# Altium PCB roach2.PcbDoc (part 34 of 39)
Units mil, origin at the board's own origin, x right, y up, seen from the top; angles counter-clockwise.
Board outline 12007.87 x 9606.3 mil, 16 copper layers (L1_TOP, L2_G, L3_S, L4_G, L5_S, L6_P, L7_G, L8_R, L9_R, L10_P, L11_P, L12_S, L13_P, L14_S, L15_G, L16_BOT), stack 81.651 mil thick; 1568 components, 1918 nets, 9251 pads, 6741 vias.
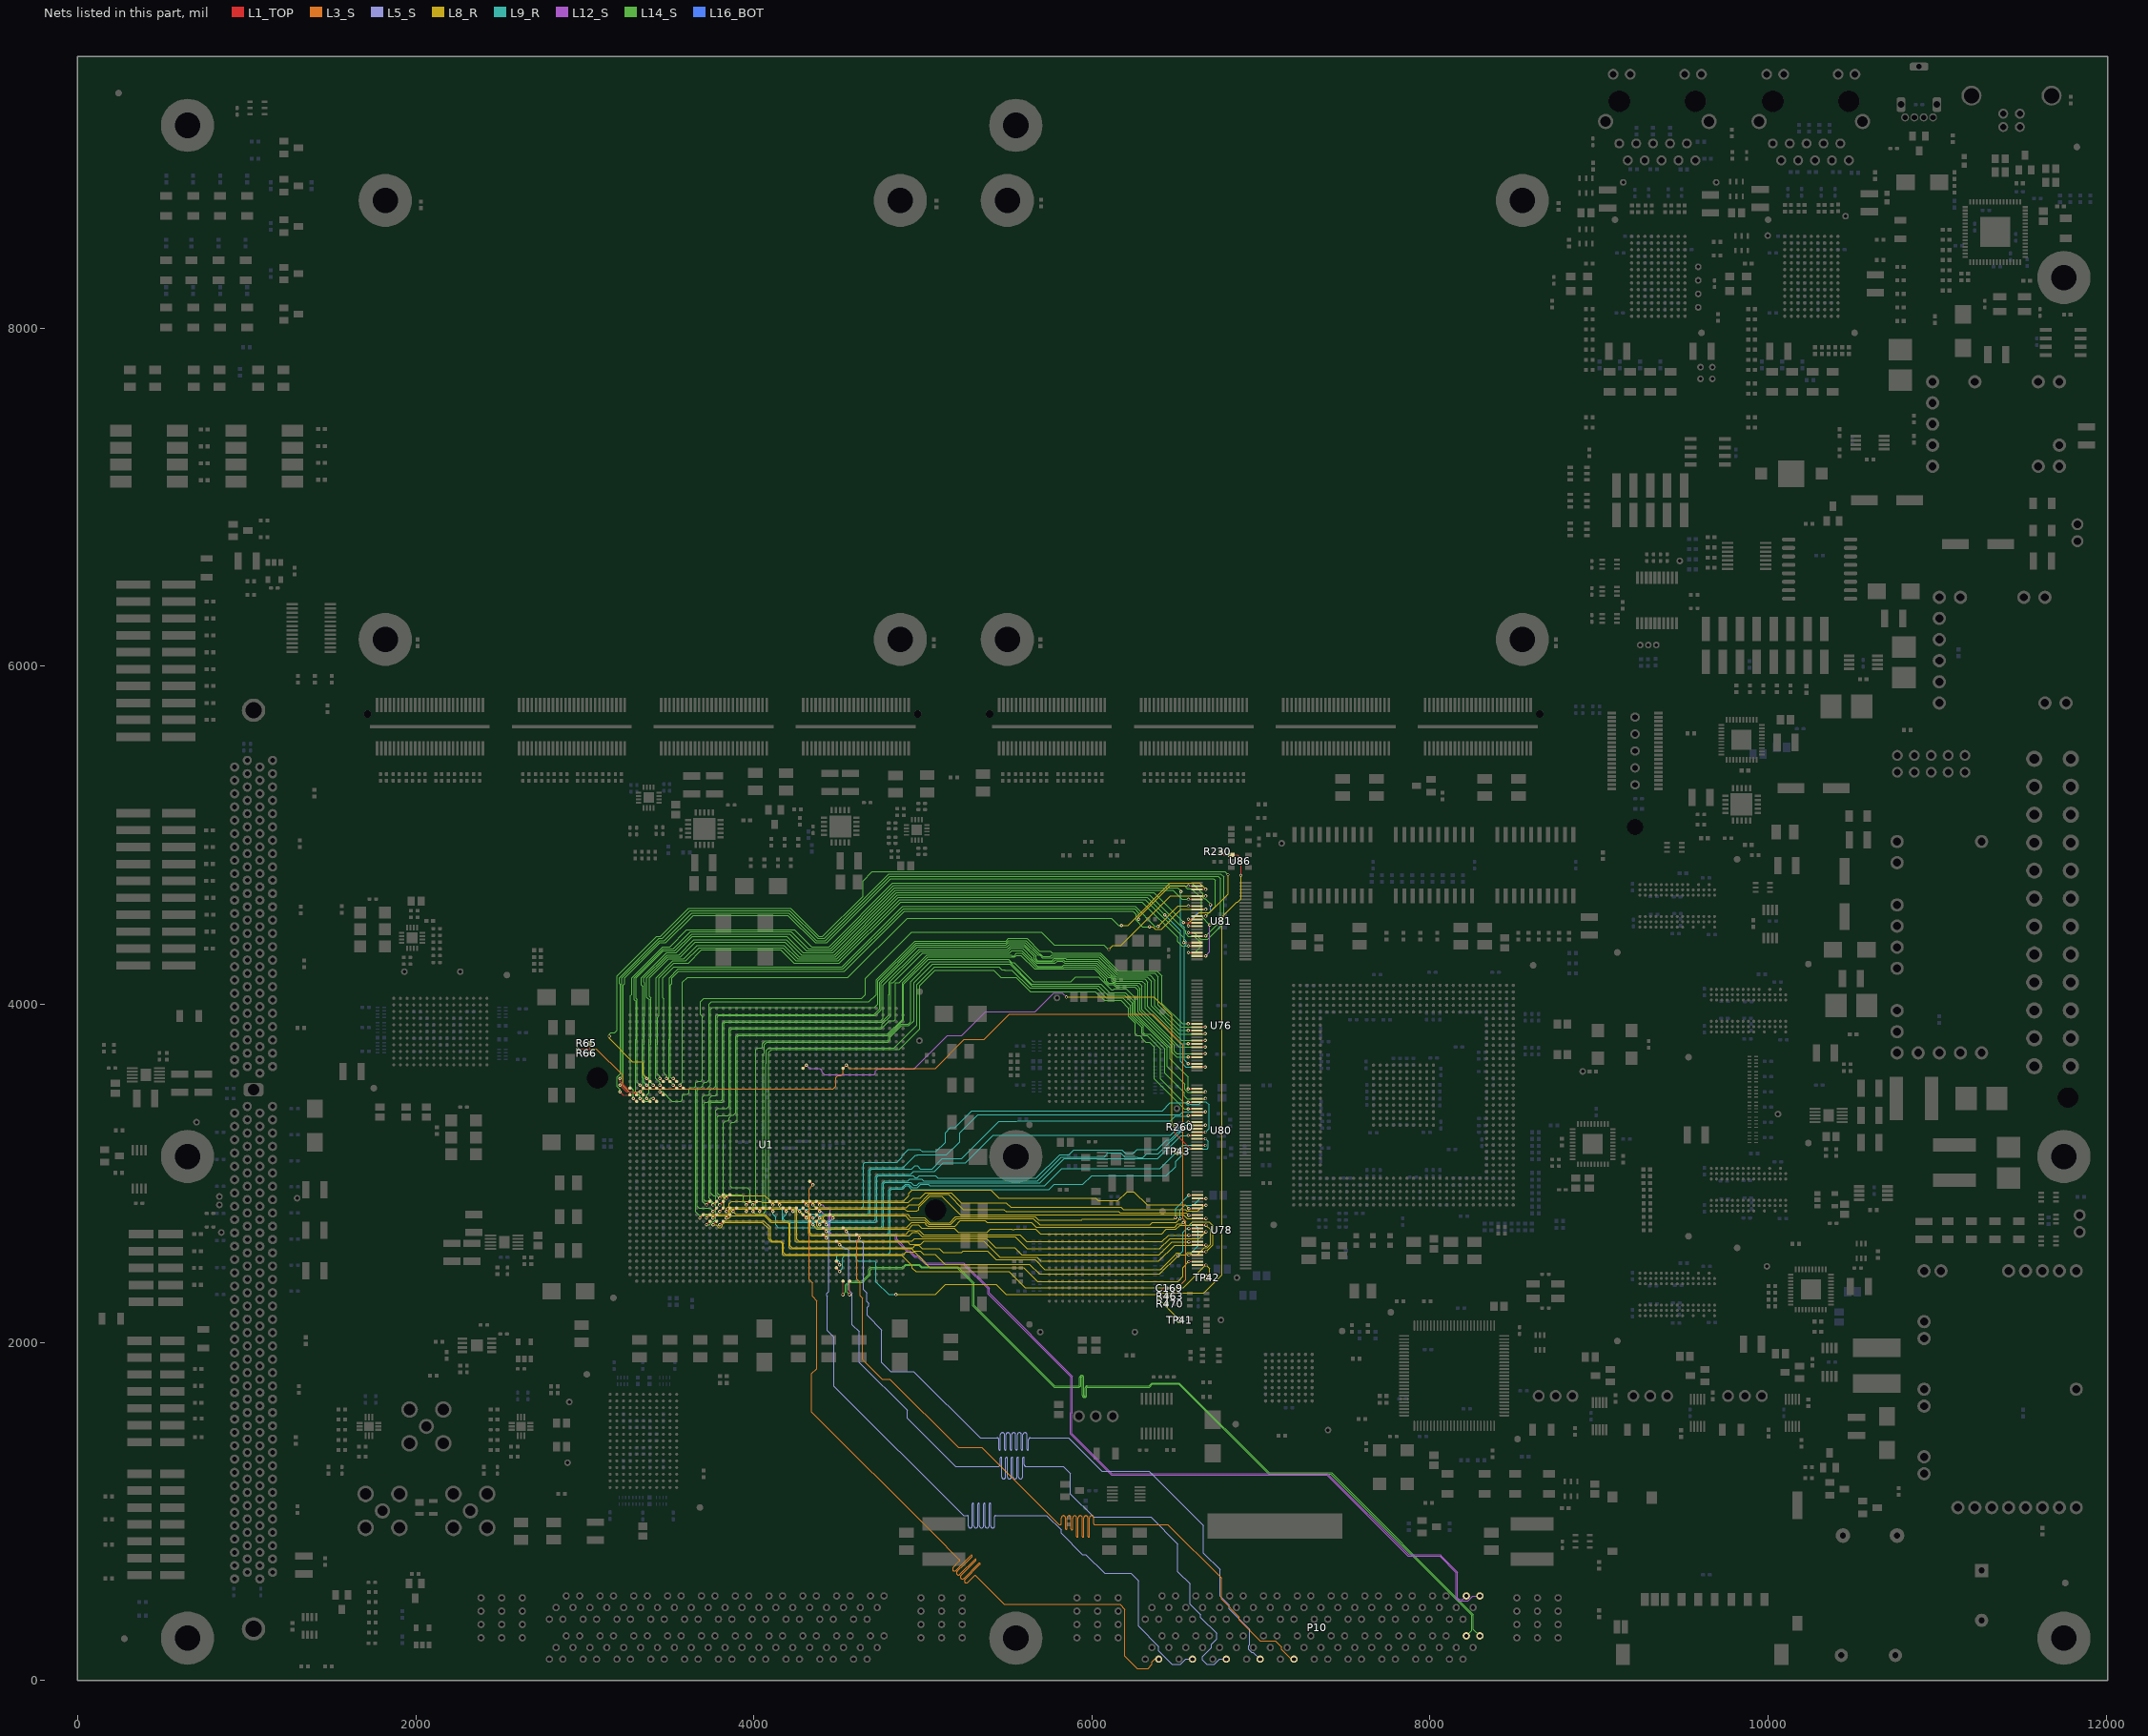
[diagram p48: the nets of this part, all layers, seen from the top]

## Via types
v1: diameter 19.4, hole 10, L1_TOP to L16_BOT, tented both sides, 3354 vias
v2: diameter 19.4, hole 10, L1_TOP to L16_BOT, 1954 vias
v3: diameter 19.4, hole 10, L1_TOP to L16_BOT, tented top, 429 vias
v4: diameter 18.6, hole 10, L1_TOP to L16_BOT, tented both sides, 311 vias
v5: diameter 59.06, hole 39.37, L1_TOP to L16_BOT, 217 vias
v6: diameter 19.4, hole 10.04, L1_TOP to L16_BOT, 125 vias
v7: diameter 19, hole 10, L1_TOP to L16_BOT, 93 vias
v8: diameter 19.4, hole 10, L1_TOP to L16_BOT, tented bottom, 80 vias
v9: diameter 25.98, hole 12.99, L1_TOP to L16_BOT, tented top, 55 vias
v10: diameter 20, hole 10, L1_TOP to L16_BOT, 53 vias
v11: diameter 59.06, hole 39.37, L1_TOP to L16_BOT, tented top, 44 vias
v12: diameter 20, hole 10, L1_TOP to L16_BOT, tented top, 16 vias
v13: diameter 19, hole 10, L1_TOP to L16_BOT, tented top, 5 vias
v14: diameter 25.98, hole 12.99, L1_TOP to L16_BOT, 4 vias
v15: diameter 50, hole 28, L1_TOP to L16_BOT, 1 vias

## Nets (pads, with @x,y where several pads share a name; then routed paths per layer and width w, separated by ;. In a path a pad name is that pad's centre, name@x,y a point inside that pad or via, vN(x,y) a via of type N, cw(c..) or ccw(c..) an arc to the next point about the centre after c; other vN are vias at no path point) (continued)
XL.PADDR14: U1.AJ32 U76.14 | length 4843.1
  L1_TOP w5: v1(3758.94,2734.68) U1.AJ32@3778.63,2754.37 ; v1@6569.83,3884.79 U76.14@6620.83,3884.79 U76.14@6637.77,3884.79
  L14_S w3.8: v1@3759.84,2736.22 3743.07,2752.99 3674.99,2752.99 3656.43,2771.55 3656.43,3493.56 3669.36,3506.49 3686.67,3506.49 3698.11,3517.93 3698.11,3527.11 3710.22,3539.22 3721.22,3539.22 3735.54,3553.54 3735.54,3792.22 3736.07,3792.75 3736.07,4002.07 3748.99,4014.99 4680.99,4014.99 4723.79,4057.79 4723.79,4144.89 4952.82,4373.92 5492.13,4373.92 5507.6,4389.39 5615.13,4389.39 5689.93,4314.59 5755.45,4314.59 5766.9,4303.15 6051.76,4303.15 6158.06,4196.85 6385.13,4196.85 6414.99,4166.99 6414.99,4004.99 6535.11,3884.87 v1(6569.89,3884.87)
XL.PADDR15: U1.AJ31 U76.15 | length 4925
  L1_TOP w5: v1(3758.94,2774.05) U1.AJ31@3778.63,2793.74 ; U76.15@6603.89,3865.11 U76.15@6620.83,3865.11 6669.89,3865.11 v1@6671.83,3865.11
  L14_S w3.8: v1@3759.84,2781.87 3759.84,2775.59 3740.44,2794.99 3674.99,2794.99 3664.6,2805.38 3664.6,3489.18 3673.74,3498.32 3719.82,3498.32 3743.34,3521.84 3743.34,3764.77 3744.24,3765.67 3744.24,3970.24 3754.46,3980.46 4711.19,3980.46 4711.72,3980.99 4712.79,3980.99 4734.09,4002.29 4734.09,4138.5 4957.71,4362.12 5492.13,4362.12 5507.6,4377.59 5610.24,4377.59 5689.44,4298.39 5694.68,4298.39 5709.68,4283.39 5755.45,4283.39 5763.41,4291.35 6046.88,4291.35 6153.18,4185.05 6370.93,4185.05 6392.99,4162.99 6392.99,3996.99 6524.99,3864.99 6669.38,3864.99 v1(6669.89,3865.5)
XL.PADDR16: U1.AK30 U76.16 | length 4658.3
  L1_TOP w5: v1(3719.57,2813.42) U1.AK30@3739.26,2833.11 ; v1@6569.83,3845.42 6569.89,3845.42 U76.16@6620.83,3845.42 U76.16@6637.77,3845.42
  L14_S w3.8: v1@3721.28,2808.7 3718.07,2811.92 3696.17,2833.81 3696.17,3452.67 3706.99,3463.49 3730.49,3463.49 3738.99,3471.99 3738.99,3489.49 3750.99,3501.49 3760.41,3501.49 3774.54,3515.62 3774.54,3791.85 3775.44,3792.75 3775.44,3932.41 3783.75,3940.72 4711.02,3940.72 4743.89,3973.59 4743.89,4131.61 4962.6,4350.32 5492.13,4350.32 5507.6,4365.79 5605.35,4365.79 5680.55,4290.59 5691.45,4290.59 5706.45,4275.59 5764.34,4275.59 5768.74,4279.99 6041.55,4279.99 6148.29,4173.25 6342.73,4173.25 6372.99,4142.99 6372.99,3988.99 6516.99,3844.99 6569.38,3844.99 v1(6569.89,3845.5)
XL.PADDR17: U1.AJ30 U76.17 | length 4779.4
  L1_TOP w5: v1(3758.94,2813.42) U1.AJ30@3778.63,2833.11 ; U76.17@6603.89,3825.74 U76.17@6620.83,3825.74 v1@6671.83,3825.74
  L14_S w3.8: v1@3759.84,2814.96 3737.61,2837.19 3713.11,2837.19 3703.97,2846.33 3703.97,3410.44 3713.53,3419.99 3726.99,3419.99 3737.99,3430.99 3737.99,3444.99 3753.49,3460.49 3774.99,3460.49 3782.71,3468.21 3782.71,3764.77 3783.61,3765.67 3783.61,3923.79 3792.75,3932.92 4719.92,3932.92 4753.59,3966.59 4753.59,4124.62 4967.49,4338.52 5496.39,4338.52 5511.87,4353.99 5600.46,4353.99 5669.39,4285.06 5669.39,4268.53 5678.53,4259.39 5764.83,4259.39 5777.63,4272.19 5843.79,4272.19 5848.49,4267.49 6036.84,4267.49 6037.1,4267.75 6143.4,4161.45 6326.53,4161.45 6350.99,4136.99 6350.99,3988.99 6514.99,3824.99 6668.75,3824.99 v1(6669.89,3826.13)
XL.PADDR18: U1.AK33 U76.19 | length 4907.7
  L1_TOP w5: v1(3719.57,2695.31) U1.AK33@3739.26,2715 ; U76.19@6603.89,3786.37 U76.19@6620.83,3786.37 v1@6671.83,3786.37
  L14_S w3.8: v1@3720.47,2696.85 3737.78,2696.85 3753.38,2712.45 3760.45,2712.45 3775.44,2727.44 3775.44,2821.42 3767.84,2829.02 3758.64,2829.02 3735.17,2852.49 3735.17,3417.14 3745.78,3427.75 3804.78,3427.75 3813.91,3436.88 3813.91,3791.85 3814.81,3792.75 3814.81,3888.14 3828.36,3901.69 4750.53,3901.69 4765.39,3916.56 4765.39,4113.11 4979,4326.72 5501.28,4326.72 5516.75,4342.19 5598.01,4342.19 5657.59,4282.61 5657.59,4269.3 5675.3,4251.59 5773.72,4251.59 5786.52,4264.39 5831.12,4264.39 5839.56,4255.95 6032.21,4255.95 6113.97,4174.19 6118.35,4174.19 6134.19,4158.35 6134.19,4153.97 6138.51,4149.65 6312.77,4149.65 6330.99,4131.43 6330.99,3986.99 6530.99,3786.99 6669.66,3786.99 v1(6669.89,3786.76)
XL.PADDR19: U1.AH30 U76.20 | length 4646.7
  L1_TOP w5: v1(3798.31,2813.42) U1.AH30@3818,2833.11 ; v1@6569.83,3766.68 U76.20@6620.83,3766.68 U76.20@6637.77,3766.68
  L14_S w3.8: v1@3799.21,2814.96 3777.12,2837.06 3774.54,2839.63 3774.54,2862.21 3768.36,2868.39 3759.49,2868.39 3743.34,2884.54 3743.34,3414.28 3748.64,3419.58 3815.08,3419.58 3822.08,3426.58 3822.08,3764.77 3822.98,3765.67 3822.98,3884.42 3832.46,3893.89 4756.83,3893.89 4799.07,3936.13 4799.07,4056.75 4799.84,4057.53 4799.84,4130.87 4983.89,4314.92 5506.17,4314.92 5521.64,4330.39 5590.69,4330.39 5645.79,4275.29 5645.79,4270.07 5672.07,4243.79 5782.6,4243.79 5795.4,4256.59 5825.45,4256.59 5837.9,4244.15 6027.33,4244.15 6105.08,4166.39 6112.68,4166.39 6126.39,4152.68 6126.39,4145.08 6131.48,4139.99 6137.15,4139.99 6139.29,4137.85 6296.13,4137.85 6314.99,4118.99 6314.99,3974.99 6522.99,3766.99 6569.66,3766.99 v1(6569.89,3766.76)
XL.PADDR20: U1.AH29 U76.21 | length 4638.6
  L1_TOP w5: v1(3798.31,2852.79) U1.AH29@3818,2872.48 ; U76.21@6603.89,3747 U76.21@6620.83,3747 v1@6671.83,3747
  L14_S w3.8: v1@3799.21,2854.33 3793.45,2854.33 3774.54,2873.24 3774.54,3372.04 3786.99,3384.49 3840.26,3384.49 3853.28,3397.51 3853.28,3791.85 3854.18,3792.75 3854.18,3856.18 3860.79,3862.79 3861.23,3862.35 4750.56,3862.35 4759.7,3871.49 4759.7,3881.7 4808.99,3930.99 4808.99,4128.99 4824.3,4128.99 4998.43,4303.12 5511.05,4303.12 5526.53,4318.59 5585.8,4318.59 5679,4225.39 5825.45,4225.39 5832.41,4232.35 6022.44,4232.35 6096.2,4158.59 6109.45,4158.59 6118.59,4149.45 6118.59,4136.2 6122.6,4132.19 6133.92,4132.19 6140.06,4126.05 6279.93,4126.05 6296.99,4108.99 6296.99,3966.99 6516.99,3746.99 6669.49,3746.99 v1(6669.89,3747.39)
XL.PADDR21: U1.AG29 U76.23 | length 4673.3
  L1_TOP w5: v1(3837.68,2852.79) U1.AG29@3857.37,2872.48 ; U76.23@6603.89,3707.63 U76.23@6620.83,3707.63 v1@6671.83,3707.63
  L14_S w3.8: v1@3838.58,2854.33 3821.27,2854.33 3805.67,2869.93 3798.49,2869.93 3782.71,2885.7 3782.71,3331.7 3791.85,3340.84 3848.84,3340.84 3861.45,3353.45 3861.45,3764.77 3862.35,3765.67 3862.35,3845.05 3871.49,3854.18 4753.42,3854.18 4800.96,3901.72 4829.3,3901.72 4838.99,3911.42 4838.99,4126.99 4859.62,4126.99 5023.94,4291.32 5522.61,4291.32 5526.53,4287.39 5539.45,4287.39 5554.25,4302.19 5585.51,4302.19 5670.11,4217.59 5834.34,4217.59 5837.3,4220.55 6017.55,4220.55 6087.39,4150.71 6087.39,4136.53 6099.53,4124.39 6130.68,4124.39 6140.83,4114.25 6263.73,4114.25 6284.99,4092.99 6284.99,3960.99 6487.76,3758.22 6487.76,3721.53 6502.3,3706.99 6668.86,3706.99 v1(6669.89,3708.02)
XL.PADDR22: U1.AD30 U76.24 | length 4597.1
  L1_TOP w5: v1(3955.79,2813.42) U1.AD30@3975.48,2833.11 ; v1@6569.83,3687.94 U76.24@6620.83,3687.94 U76.24@6637.77,3687.94
  L14_S w3.8: v1@3956.69,2814.96 3937.66,2833.99 3937.66,2861.82 3926.99,2872.49 3833.49,2872.49 3820.49,2885.49 3820.49,3295.49 3834.64,3309.64 3844.15,3309.64 3853.28,3318.77 3853.28,3328.28 3868.49,3343.49 3878,3343.49 3892.65,3358.14 3892.65,3791.85 3893.55,3792.75 3893.55,3808.54 3908,3822.98 3910.84,3822.98 4789.93,3822.98 4878.99,3912.05 4878.99,4129.68 5028.83,4279.52 5542.61,4279.52 5553.48,4290.39 5580.63,4290.39 5662.27,4208.75 6012.66,4208.75 6075.59,4145.82 6075.59,4137.3 6096.3,4116.59 6127.45,4116.59 6141.6,4102.45 6253.53,4102.45 6272.99,4082.99 6272.99,3952.99 6472.99,3752.99 6472.99,3716.99 6501.96,3688.02 v1(6569.89,3688.02)
XL.PADDR23: U1.AC30 U80.2 | length 4682
  L1_TOP w5: v1(3995.16,2813.42) U1.AC30@4014.85,2833.11 ; v1@6569.83,3500.07 U80.2@6620.83,3500.07 U80.2@6637.77,3500.07
  L14_S w3.8: v1@3996.06,2814.96 3976.99,2834.03 3976.99,2899.99 3961.05,2915.93 3870.59,2915.93 3861.45,2925.07 3861.45,3292.33 3870.59,3301.47 3885.74,3301.47 3900.82,3316.55 3900.82,3764.77 3901.72,3765.67 3901.72,3805.68 3911.23,3815.18 4793.16,3815.18 4886.79,3908.82 4886.79,4120.79 ; 4886.99,4120.99 4886.79,4120.79 ; v1(6569.89,3499.72) 6569.99,3499.82 6569.99,3568.99 6460.99,3677.99 6460.99,3742.99 6254.99,3948.99 6254.99,4038.99 6203.33,4090.65 6132.71,4090.65 6127.45,4085.39 6114.53,4085.39 6037.92,4162 5904,4162 5876,4134 5652.85,4134 5539.45,4247.39 5526.53,4247.39 5506.21,4267.72 5033.72,4267.72 4886.79,4120.79
XL.PADDR24: U1.AY13 U76.26 | length 5321.3
  L1_TOP w5: v1(3325.87,3522.09) 3345.24,3502.72 U1.AY13@3345.56,3502.4 ; v1@6569.83,3648.57 U76.26@6620.83,3648.57 U76.26@6637.77,3648.57
  L9_R w3.8: v2(6526.99,4666.99) 6525.39,4665.39 6525.39,4475.59 6545.99,4454.99 6545.99,4384.34 6558.85,4371.48 6558.85,4355.47 6545.99,4342.6 6545.99,3672.55 v1(6569.89,3648.65)
  L14_S w3.8: v1(3325.87,3522.09) 3310.27,3537.69 3310.27,3788.99 3310.8,3789.52 3310.8,4029.18 3304.99,4034.99 3304.99,4156.99 3464.99,4316.99 3532.99,4316.99 3632.99,4416.99 4210.99,4416.99 4310.99,4316.99 4461.28,4316.99 4833.28,4688.99 6507,4688.99 v2@6526.99,4668.99
XL.PADDR25: U1.AV13 U76.27 | length 5162.9
  L1_TOP w5: v1(3404.61,3522.09) 3423.98,3502.72 U1.AV13@3424.3,3502.4 ; U76.27@6603.89,3628.89 U76.27@6620.83,3628.89 6669.89,3628.89 v1@6671.83,3628.89
  L9_R w3.8: v2(6430.99,4528.99) 6522.99,4436.99 6522.99,3661.99 6554.99,3629.99 6669.18,3629.99 v1(6669.89,3629.28)
  L14_S w3.8: v1@3405.51,3523.62 3389.01,3540.12 3389.01,3764.77 3389.91,3765.67 3389.91,4038.55 3382.36,4046.1 3382.36,4156.99 3494.36,4268.99 3584.99,4268.99 3664.99,4348.99 4178.99,4348.99 4258.99,4268.99 4491.35,4268.99 4856.14,4633.79 6200.99,4633.79 ; 6203.03,4633.79 6200.99,4633.79 ; v2(6430.99,4528.99) 6326.2,4633.79 6200.99,4633.79
XL.PADDR26: U1.AD31 U80.3 | length 4575.6
  L1_TOP w5: v1(3955.79,2774.05) U1.AD31@3975.48,2793.74 ; U80.3@6603.89,3480.38 U80.3@6620.83,3480.38 v1@6671.83,3480.38
  L14_S w3.8: v1(3955.79,2774.05) 3979.56,2797.82 4001.63,2797.82 4010.76,2806.96 4010.76,3733.26 4019.49,3741.99 4045.99,3741.99 4051.03,3747.03 4051.03,3767.03 4067.61,3783.61 4789.93,3783.61 4799.07,3792.75 4799.07,3810.06 4871,3881.99 4913.99,3881.99 4928.99,3896.99 4928.99,4134.99 5044.99,4250.99 5511.9,4250.99 5642.89,4120 6052.98,4120 6103.99,4068.99 6196.99,4068.99 6247.19,4018.79 6247.19,3941.79 6444.99,3743.99 6444.99,3632.99 6550.99,3526.99 6550.99,3496.56 6567.56,3479.99 6670.16,3479.99 v1(6671.89,3481.72)
XL.PADDR27: U1.AB31 U80.5 | length 4532.1
  L1_TOP w5: v1(4034.53,2774.05) U1.AB31@4054.22,2793.74 ; U80.5@6603.89,3441.01 U80.5@6620.83,3441.01 v1@6671.83,3441.01
  L14_S w3.8: v1(4034.53,2774.05) 4054.99,2794.51 4054.99,3704.99 4061.99,3711.99 4061.99,3761.99 4075.44,3775.44 4792.79,3775.44 4806.87,3789.52 4806.87,3805.87 4875.19,3874.19 4917.22,3874.19 4946.99,3903.96 4946.99,4126.99 5057.99,4237.99 5513.87,4237.99 5643.86,4108 6037.98,4108 6091.99,4053.99 6190.99,4053.99 6238.99,4005.99 6238.99,3934.99 6303.3,3870.69 6303.3,3832.12 6312.44,3822.98 6344,3822.98 6429.99,3736.99 6429.99,3592.99 6546.99,3475.99 6546.99,3457.99 6563.99,3440.99 6670.53,3440.99 v1(6671.89,3442.35)
XL.PADDR28: U1.AC31 U80.6 | length 4471.6
  L1_TOP w5: v1(3995.16,2774.05) U1.AC31@4014.85,2793.74 ; v1@6569.83,3421.33 U80.6@6620.83,3421.33 U80.6@6637.77,3421.33
  L14_S w3.8: v1(3995.16,2774.05) 4011.23,2757.99 4053.49,2757.99 4071.99,2776.49 4071.99,3648.49 4073.99,3650.49 4073.99,3728.42 4088.28,3742.71 4830.71,3742.71 4963.99,3875.99 4963.99,4115.99 5067.99,4219.99 5450.79,4219.99 5467.39,4203.39 5482.59,4203.39 5482.99,4202.99 5524.99,4202.99 5631.98,4096 6026.98,4096 6084.99,4037.99 6182.99,4037.99 6228.99,3991.99 6228.99,3929.99 6295.5,3863.49 6295.5,3828.89 6309.21,3815.18 6325.8,3815.18 6404.99,3735.99 6404.99,3557.99 6541.99,3420.99 v1(6569.89,3420.98)
XL.PADDR29: U1.AA30 U80.8 | length 4360.3
  L1_TOP w5: U1.AA30@4093.59,2833.11 v1(4113.28,2813.42) ; v1@6569.83,3381.96 U80.8@6620.83,3381.96 U80.8@6637.77,3381.96
  L14_S w3.8: v1@4114.17,2814.96 4087.99,2841.14 4087.99,3716.35 4106.18,3734.54 4860.54,3734.54 4980.99,3854.99 4980.99,4109.99 5071.99,4200.99 5418.99,4200.99 5459.99,4159.99 5550.99,4159.99 5634.98,4076 6018.98,4076 6071.99,4022.99 6170.99,4022.99 6217.99,3975.99 6217.99,3926.99 6254.99,3889.99 6254.99,3846.58 6255.76,3845.81 6255.76,3824.23 6263.99,3815.99 6284.81,3815.99 6295.5,3805.31 6295.5,3798.49 6318.54,3775.44 6340.54,3775.44 6367.99,3747.99 6367.99,3559.99 6545.99,3381.99 6569.51,3381.99 v1(6569.89,3381.61)
XL.PBEN0: U1.Y30 U80.13 | length 3131.9
  L1_TOP w5: U1.Y30@4132.96,2833.11 v1(4152.65,2813.42) ; U80.13@6603.89,3283.53 U80.13@6620.83,3283.53 v1@6671.83,3283.53
  L9_R w3.8: v1(4152.65,2813.42) 4152.65,2796.12 4168.25,2780.52 4168.25,2723.74 4181.07,2710.91 4718.91,2710.91 4727.6,2719.6 4727.6,2977.37 4736.74,2986.5 4941.76,2986.5 4953.27,2974.99 4966.19,2974.99 4977.71,2986.5 5073.48,2986.5 5088.99,2970.99 5670.99,2970.99 5810.99,3110.99 5864.99,3110.99 5892.99,3138.99 6176.99,3138.99 6200.99,3114.99 6240.99,3114.99 6266.99,3140.99 6384.99,3140.99 6442.99,3198.99 6460.99,3198.99 6546.87,3284.87 v1(6671.89,3284.87)
XL.PBEN1: U1.W31 U80.12 | length 2935.3
  L1_TOP w5: U1.W31@4172.33,2793.74 v1(4192.02,2774.05) ; v1@6569.83,3303.22 6569.89,3303.22 U80.12@6620.83,3303.22 U80.12@6637.77,3303.22
  L9_R w3.8: v1(4192.02,2774.05) 4192.02,2756.75 4176.42,2741.15 4176.42,2728.22 4185.55,2719.08 4710.29,2719.08 4719.43,2728.22 4719.43,2980.23 4733.51,2994.3 4822.62,2994.3 ; 4822.99,2994.67 4822.62,2994.3 ; v1(6569.89,3302.87) 6542.87,3302.87 6464.99,3224.99 5416.99,3224.99 5252.99,3060.99 5118.99,3060.99 5068.99,3010.99 4944.99,3010.99 4928.3,2994.3 4822.62,2994.3
XL.PBEN2: U1.R32 U80.10 | length 2738.7
  L1_TOP w5: U1.R32@4329.81,2754.37 v1(4349.5,2734.68) ; v1@6569.83,3342.59 6569.89,3342.59 U80.10@6620.83,3342.59 U80.10@6637.77,3342.59
  L9_R w3.8: v1(4349.5,2734.68) 4353.39,2734.68 4368.99,2750.28 4682.28,2750.28 4688.23,2756.23 4688.23,3016.74 4697.37,3025.87 4820.99,3025.87 ; 4822.99,3025.87 4820.99,3025.87 ; v1(6569.89,3342.24) 6566.56,3338.91 6492.91,3338.91 6464.99,3310.99 5559.06,3310.99 5554.77,3306.71 5450.71,3306.71 5230.99,3086.99 5114.99,3086.99 5053.87,3025.87 4985.88,3025.87 4966.19,3045.56 4953.27,3045.56 4933.58,3025.87 4820.99,3025.87
XL.PBEN3: U1.T32 U80.9 | length 2897.3
  L1_TOP w5: U1.T32@4290.44,2754.37 v1(4310.13,2734.68) ; U80.9@6603.89,3362.27 U80.9@6620.83,3362.27 v1@6671.83,3362.27
  L9_R w3.8: v1(4310.13,2734.68) 4333.9,2758.45 4670.92,2758.45 4680.06,2767.59 4680.06,3019.6 4694.14,3033.67 4881.67,3033.67 4956.85,3108.85 4966.19,3108.85 4966.34,3108.99 5140.99,3108.99 5218.99,3186.99 5218.99,3240.99 5324.71,3346.71 6520.71,3346.71 6537.61,3363.61 v1(6671.89,3363.61)
XL.PBLASTN: U1.N34 U80.16 | length 2639.7
  L1_TOP w5: U1.N34@4408.55,2675.63 v1(4428.24,2655.94) ; v1(6569.83,3224.48) U80.16@6620.83,3224.48 U80.16@6637.77,3224.48
  L9_R w3.8: v1(4428.24,2655.94) 4445.54,2655.94 4461.14,2671.54 4761.54,2671.54 4766.99,2676.99 4766.99,2688.83 4766.97,2938 4776.11,2947.13 4928.85,2947.13 4944.99,2930.99 4964.99,2930.99 4978.99,2944.99 5692.99,2944.99 5834.99,3086.99 6123.23,3086.99 6123.46,3086.76 6136.38,3086.76 6136.61,3086.99 6150.79,3086.99 6151.02,3086.76 6163.94,3086.76 6164.17,3086.99 6265.74,3086.99 6265.9,3086.84 6388.84,3086.84 6526.48,3224.48 v1(6569.83,3224.48)
XL.PCSN0: TP43.1 U1.N35 U80.19 | length 2737.5
  L1_TOP w5: U1.N35@4408.55,2636.26 v1(4428.24,2616.57) ; U80.19@6603.89,3165.42 U80.19@6620.83,3165.42 v1(6671.83,3165.42)
  L9_R w3.8: v1(4428.24,2616.57) 4448.65,2636.99 4785.68,2636.99 4798.17,2649.48 4798.17,2654.62 4798.54,2654.99 4798.54,2901.86 4812.25,2915.56 4877.3,2915.56 4896.98,2935.25 4916.37,2935.25 4936.05,2915.56 4967.56,2915.56 4987.32,2935.32 5033.12,2935.32 5041.45,2926.99 5720.99,2926.99 5822.99,3028.99 6402.99,3028.99 6503.99,3129.99 6539.42,3165.42 v1(6671.83,3165.42)
XL.PCSN1: U1.L39 U80.17 | length 2927.1
  L1_TOP w5: U1.L39@4487.29,2478.78 v1(4506.98,2459.09) ; U80.17@6603.89,3204.79 U80.17@6620.83,3204.79 v1(6671.83,3204.79)
  L9_R w3.8: v1(4506.98,2459.09) 4506.98,2476.4 4491.38,2492 4491.38,2509.38 4503.86,2521.86 4793.86,2521.86 4806.34,2534.34 4806.34,2898.63 4815.48,2907.76 4880.53,2907.76 4900.21,2927.45 4913.14,2927.45 4922.28,2918.31 4922.28,2914.99 4932.28,2904.99 4991.77,2904.99 4992.64,2904.12 5746.12,2904.12 5776.99,2934.99 5946.99,2934.99 5998.99,2986.99 6440.99,2986.99 6494.99,3040.99 6494.99,3070.99 6568.99,3144.99 6680.99,3144.99 6688,3152 6688,3188.62 v1(6671.83,3204.79)
XL.PCSN2: R260.1 U1.T10 U80.20 | length 3411.2
  L1_TOP w5: U1.T10@4290.44,3620.51 4291.66,3621.73 v1(4310.13,3640.2) ; v2(6488.99,3276.99) 6488.99,3236.99 6580.25,3145.74 U80.20@6620.83,3145.74 U80.20@6637.77,3145.74
  L8_R w3.8: v2(5848.99,4042.99) 6364.99,4042.99 6472.99,3934.99 6472.99,3292.99 v2(6488.99,3276.99)
  L12_S w3.8: v1(4310.13,3640.2) 4329.33,3620.99 4390.76,3620.99 4404.47,3607.29 4404.47,3599.52 4418.76,3585.23 4710.29,3585.23 4719.43,3594.37 4719.43,3605.93 4732.49,3618.99 4948.99,3618.99 5144.99,3814.99 5228.99,3814.99 5370.99,3956.99 5664.99,3956.99 5774.99,4066.99 5824.99,4066.99 v2(5848.99,4042.99)
  L16_BOT w5: v2(6488.99,3276.99) 6499.31,3276.99 R260.1@6520.99,3255.31
XL.PDATA0: U1.AR13 U81.2 | length 4115.8
  L1_TOP w5: v1(3522.72,3522.09) 3542.09,3502.72 U1.AR13@3542.41,3502.4 ; v1(6570.73,4699.61) U81.2@6621.73,4699.61 U81.2@6638.67,4699.61
  L8_R w3.8: v2(6276.99,4502.99) 6276.99,4514.99 6461.61,4699.61 v1(6570.73,4699.61)
  L14_S w3.8: v1@3523.62,3523.62 3500,3547.24 3498.95,3548.29 3498.95,3791.85 3499.85,3792.75 3499.85,4156.84 3552,4208.99 4528.93,4208.99 4884.72,4564.79 6253.2,4564.79 6276.99,4540.99 v2(6276.99,4502.99)
XL.PDATA1: U1.AP13 U81.3 | length 4099.1
  L1_TOP w5: v1(3562.09,3522.09) 3581.46,3502.72 U1.AP13@3581.78,3502.4 ; U81.3@6604.79,4679.93 U81.3@6621.73,4679.93 v1(6672.73,4679.93)
  L8_R w3.8: v2(6174.99,4466.99) 6212.93,4466.99 6230.96,4485.02 6462.93,4716.99 6635.66,4716.99 v1(6672.73,4679.93)
  L14_S w3.8: v1(3562.09,3522.09) 3577.69,3537.69 3577.69,3791.85 3578.59,3792.75 3578.59,4003.42 3578.18,4003.84 3578.18,4130.18 3606.99,4158.99 4556.99,4158.99 4907.59,4509.59 6114.4,4509.59 6156.99,4466.99 v2(6174.99,4466.99)
XL.PDATA2: U1.AU14 U81.5 | length 4314.1
  L1_TOP w5: v1(3443.98,3482.72) U1.AU14@3463.67,3463.03 ; U81.5@6604.79,4640.56 U81.5@6621.73,4640.56 v1(6672.73,4640.56)
  L8_R w3.8: v7@6102.36,4326.77 6122.58,4346.99 6170.99,4346.99 6464.56,4640.56 v1(6672.73,4640.56)
  L14_S w3.8: v1@3444.88,3484.25 3458.79,3484.25 3515.55,3427.49 3568.3,3427.49 3577.99,3437.18 3577.99,3461.99 3583.12,3467.12 3607.93,3467.12 3617.06,3476.25 3617.06,3499.06 3624.49,3506.49 3647.3,3506.49 3656.43,3515.62 3656.43,3535.43 3666.86,3545.86 3686.67,3545.86 3695.8,3554.99 3695.8,3791.85 3696.7,3792.75 3696.7,3923.79 3696.24,3924.24 3696.7,3924.7 3696.7,3928.49 3684.99,3940.2 3684.99,4014.99 3704.99,4034.99 4638.99,4034.99 4660.65,4056.65 4660.65,4153.34 4934.1,4426.79 5701.88,4426.79 5777.88,4350.79 6070.47,4350.79 6095.15,4326.11 6099.68,4326.11 v7(6099.68,4324.09)
XL.PDATA3: U1.AV15 U81.6 | length 4458.6
  L1_TOP w5: v1(3404.61,3443.35) 3423.98,3423.98 U1.AV15@3424.3,3423.66 ; v1(6570.73,4620.87) U81.6@6621.73,4620.87 U81.6@6638.67,4620.87
  L14_S w3.8: 3334.99,4126.99 3334.99,4112.99 ; v1@3405.51,3444.88 3404.61,3444.88 3391.88,3444.88 3373.99,3426.99 3355.99,3426.99 3341.84,3441.14 3341.84,3562.62 3341.47,3562.99 3341.47,3791.85 3342.37,3792.75 3342.37,4003.42 3341.99,4003.8 3341.99,4105.99 3334.99,4112.99 ; v1(6570.73,4620.87) 6533.11,4620.87 6478.8,4675.19 4838.99,4675.19 4468.8,4304.99 4290.99,4304.99 4194.99,4400.99 3636.99,4400.99 3540.99,4304.99 3482.99,4304.99 3334.99,4156.99 3334.99,4112.99